# Allegro board SG2042_EVB_V1_1.brd (continued)
## Text on the board (continued)
Ref Des/Silkscreen Top: 3V3 | GND | G0 | FAN | PWM | G10 | G9 | G8 | G7 | G6 | G5 | G4 | G3 | G2 | G1 | PCIE0_L1_WAKEUP_X | G16 | FAN0 | FAN1 | FAN2 | FAN3 | 1V8 | G21 | G20 | G19 | G15 | G14 | G13 | G12 | PWM0 | PWM1 | PWM2 | PWM3 | STS_RST_X | G11 | PLL_LOCKO | G18 | G17 | PWR_BUTTON | RGMII0_RST_H | BOOT_SEL5 | BOOT_SEL4 | BOOT_SEL3 | BOOT_SEL2 | BOOT_SEL1 | BOOT_SEL0 | DDR23_VDDQ_1V2 | I_DDR23_VDDQ_1V2_DIMM | I_DDR23_VDDQ_1V2 | I_DDR23_VTT_0V6 | T62:DDR23_VTT_0V6 | I_DDR23_VPP_2V5 | VRHOT_VDDC | MPS_SDA_VDDC | MPS_SCL_VDDC | MPS_ALERT_VDDC | DDR2_RESET_N | DDR3_RESET_N | PCIE1_L1_WAKEUP_X | DDR23_VPP_2V5 | SDIO_RST_X | PCIE1_ATB_1 | CAT_FLT_VDDC | I_+5V | I_VDDC | VDD_3V3 | 3V3_AUX | TP17: DDR_VDD_0V8 | I_VDD_12V | I_DDR_VDD_0V8 | I_VDD_EMMC_1V8 | I_VDD_EMMC_3V3 | I_VDD_RGMII_1V8 | I_VDD_PCIE_D_0V8 | VDDIO33 | I_VQPS18 | VDDC | VDD_PLL_0V8 | I_VDD_PCIE_H_1V8 | I_VDD_PLL_0V8 | I_VDD_PCIE_C_0V8 | VDD_PCIE_H_1V8 | VDDIO18 | I_VDDIO18 | PCIE1_L1_CLKREQ_IN_X | PCIE0_ATB_0 | PCIE0_ATB_1 | EMMC_CLK | EMMC_PWR_EN | VMON_P | VMON_N | DDR01_VPP_2V5 | DDR1_RESET_N | TP13: DDR_MPS_ALERT | TP12: DDR_MPS_SCL | T72: DDR_MPS_SDA | I_DDR01_VPP_2V5 | DDR01_VTT_0V6 | I_DDR01_VDDQ_1V2_DIMM | I_DDR01_VDDQ_1V2 | DDR01_VDDQ_1V2 | I_DDR01_VTT_0V6 | VRHOT_DDR | CAT_FLT_DDR | PWR_OK_C | TEST_EN | TEST_MODE_BSD | TEST_MODE_MBIST | TEST_MODE_SCAN | MULTI_SCKT | LPC_G4 | MCU_USART | SPIF0_CLK_SEL0 | SPIF0_CLK_SEL1 | SPIF1_CLK_SEL0 | SPIF1_CLK_SEL1 | BOOT_SEL6 | BOOT_SEL7 | STATUS_LED0 | SCKT_ID0 | SCKT_ID1 | BISR_BYP | LPC_G3 | LPC_G2 | LPC_G1 | LPC_G0 | SP1CK | SEL0 | SEL1 | SP1 | CS_X | SCK | SDI | SDO | WP_X | TP32: MCU_SWCLK | TP31: MCU_SWDIO | TP30: MCU_NRST | TP34: VDD_MCUL | VBUS2 | SP0CK | SP0 | HOLD_X | VBUS1 | I2C0 | SCL_H | SDA_H | I2C1 | I2C2 | I2C3 | UART0 | TX_H | RX_H | CTS_H | RTS_H | UART1 | G25 | G24 | G23 | G22 | MI2C3 | SCL | SDA | G26_H | G27_H | G28_H | G29_H | G30_H | G31_H | LPCPD | LDRQ1 | LDRQ0 | CKRUN | SER | IRQ | LSMI | LPME | UART2 | UART3 | G5_H | G6_H | A1 | PWR | RST | SOCKET | DDR_2 | DDR_3 | PS_ON# | DDR_1 | DDR_0 | SG2042_EVB_V1_1 | PCIEx16 | PCIEx8 | SG2042_EVB_V1_1  ARTWORK  SILKSCREEN_TOP
GND02: SG2042_EVB_V1_1  ARTWORK  02_GND02
ART03: SG2042_EVB_V1_1  ARTWORK  03_ART03
GND04: SG2042_EVB_V1_1  ARTWORK  04_GND04
ART05: SG2042_EVB_V1_1  ARTWORK  05_ART05
GND06: SG2042_EVB_V1_1  ARTWORK  06_GND06
PWR07: SG2042_EVB_V1_1  ARTWORK  07_PWR07
PWR08: SG2042_EVB_V1_1  ARTWORK  08_PWR08
GND09: SG2042_EVB_V1_1  ARTWORK  09_GND09
ART10: SG2042_EVB_V1_1  ARTWORK  10_ART10
GND11: SG2042_EVB_V1_1  ARTWORK  11_GND11
DIMENSION: Notes: | 3.PLEASE REMOVE NO-FUNCTION PAD ON THIS BOARD. | 4.THIS BOARD MUST BE USED LEAD-FREE. | 5.CAUTION: GERBER FILES AMD IPC-D-356 FILE MUST BE COMPARED AND | 6.ALL VIAS(8mils) ON THE BOARD SHALL BE FILLED WITH RESIN. | 1.ALL DRILL SIZE IS FINISHED PLATED HOLE SIZE. | 2.THICKNESS OF PTH (HOLE WALL COPPER THK) MUST BE 20um AVERAGE. | Surface Finished | Compare With IPC File: | Short Net NO. | Silkscreen Color: | Soldermask Color: | Dielectric Material: | DESIGN BY SOPHGO | Single Impedance | CONFIRMED THAT THEY ARE CONSISTENT. | Tg: | Board Name:SG2042_EVB_1_1 | Diff Impedance | 100 ohm | 85 ohm | 90 ohm | 40 ohm | 80 ohm | PREPREG | BOTTOM | ART02 | ART03 | ART04 | ART05 | ART06 | ART07 | ART08 | ART09 | ART10 | ART11 | CORE | TOP | [XX] | Layer | 10 | 12 | If the layers  10, TG must be 170 | 1 | 3 | 5 | Short Net Name: | E-Mail: kun.du@sophgo.com | Layers:12 | HASL(Sn/Pb) | White | Green | OSP | FR-4 | Default | Golden Finger,Others HASL(Pb-Free) | Golden Finger,Others HASL(Sn/Pb) | Yes | Trace Width(mil) | Trace W/S(mil) | 5.8/7.7 | 4.5/8.8 | 3.6/9.7 | 3.3/4.1 | 4.2/9.1 | 4.3/4.0 | 5.5/7.5 | 5.7/4.7 | 4.4/3.0 | Layer Stack up | Solder Bot | Silk Bot | 6.3 | 6.6 | Solder Top | Silk Top | xxxxx | ImAg | Yellow | Other:IT-170GRA2 | No | HASL(Pb-Free) | Blue | Mid-Tg | Tolerance | + | - | 10% | 150 | C | Frequency(GHZ) | Total Thickness: 2.00mm | Tel: +86-18219168856 | Panel Mode: | Board Thickness:2.00 mm+/-10% | Thickness (mil) | ImSn | Immersion Gold(ENIG) | Red | Black | Golden Finger,Others ENIG | Golden Finger,Others OSP | 2 | Hi-Tg | 1/3oz+plating | 1/2oz | 2.50 | 4.00 | 5.30 | 9.50 | 6.00 | 2oz | 170 | 1x1 | Ref Layer | 9,11 | 2,4 | 4,6 | 11 | XXXXX | NONE | SG2042_EVB_V1_1  DRILL CHART
User.9: R106 | (6) | 55 | 1x55= | R82 | (9) | (NO HOLE IN PAD) | 1 | P= | PLATED PAD(10) | (8) | 3044- | dia | 8- | 0.6 | 6.5 | 0.3 | (MIN) | 100 | 36 | 16- | R1.5 | 2- | THRU (4) | 2.1 | 2.02 | 67.5 | - | 0 | 0.05 | (4) | 86 | + | 14 | 0.02 | 93 | 128 | 12 | 17
User.10: 21.5 | 30.5 | 47.5 | 58.5 | 64.5 | 93 | 0 | 10 | 0.3 | 69.5 | 59.5 | 16.5 | 86 | 2.5 | 2- | dia | 2.02 | 2.1 | THRU | 5.5 | 4 | 4- | R0.75 | 3 | M | 1.5 | 6.75 | 4.5 | 100 | 0.25 | + | 0.04 | 0.02 | 0.015 | - | 0.030 | 0.05
User.11: SG2042_EVB_V1_0 | SG2042_EVB_V1_1 | TEL: 18219168856 | EMAIL: KUN.DU@SOPHGO.COM | 1.0 | 1.1 | DUKUN | 2022/09/08 | 2022/11/25
User.17: FIGURE | FINISHED_SIZE | 8.0 | 26.0 | 35.43 | 40.0 | 47.24 | 66.93 | 70.87 | 118.11 | 137.8 | 138.0 | 21.65 | 52.0 | 79.92 | 80.0 | 81.69 | 96.46 | 127.95 | 61.02x17.72 | 169.29x23.62 | 91.34x79.53 | 96.46x47.24 | ROTATION | - | 90.000 | 45.000 | 0.000 | DRILL CHART: TOP to BOTTOM | ALL UNITS ARE IN MILS | TOLERANCE_DRILL | +0.0/-0.0 | +3.0/-3.0 | +1.97/-1.97 | +2.0/-2.0 | +0.39/-0.39 | +0.98/-0.98 | +4.0/-4.0 | TOLERANCE_TRAVEL | PLATED | NON-PLATED | QTY | 11403 | 1152 | 12 | 250 | 9 | 2 | 24 | 11 | 8 | 6 | 1 | 4 | 3
User.18: NOTES: | - MNC_LAYER: MUST-NOT-CUT-LAYER | - MAX_DEPTH: DEPTH FROM START LAYER TO THE | SURFACE OF MUST-NOT-CUT-LAYER | - MFG_STUB : MANUFACTURING STUB LENGTH | FIGURE | BD_SIZE | 16.0 | MNC_LAYER | ART03 | BACKDRILL: BOTTOM to GND04 | ALL UNITS ARE IN MILS | MAX_DEPTH | 67.7 | MFG_STUB | 8.0 | QTY | 128
